# KiCad board latentpink.kicad_pcb (continued)
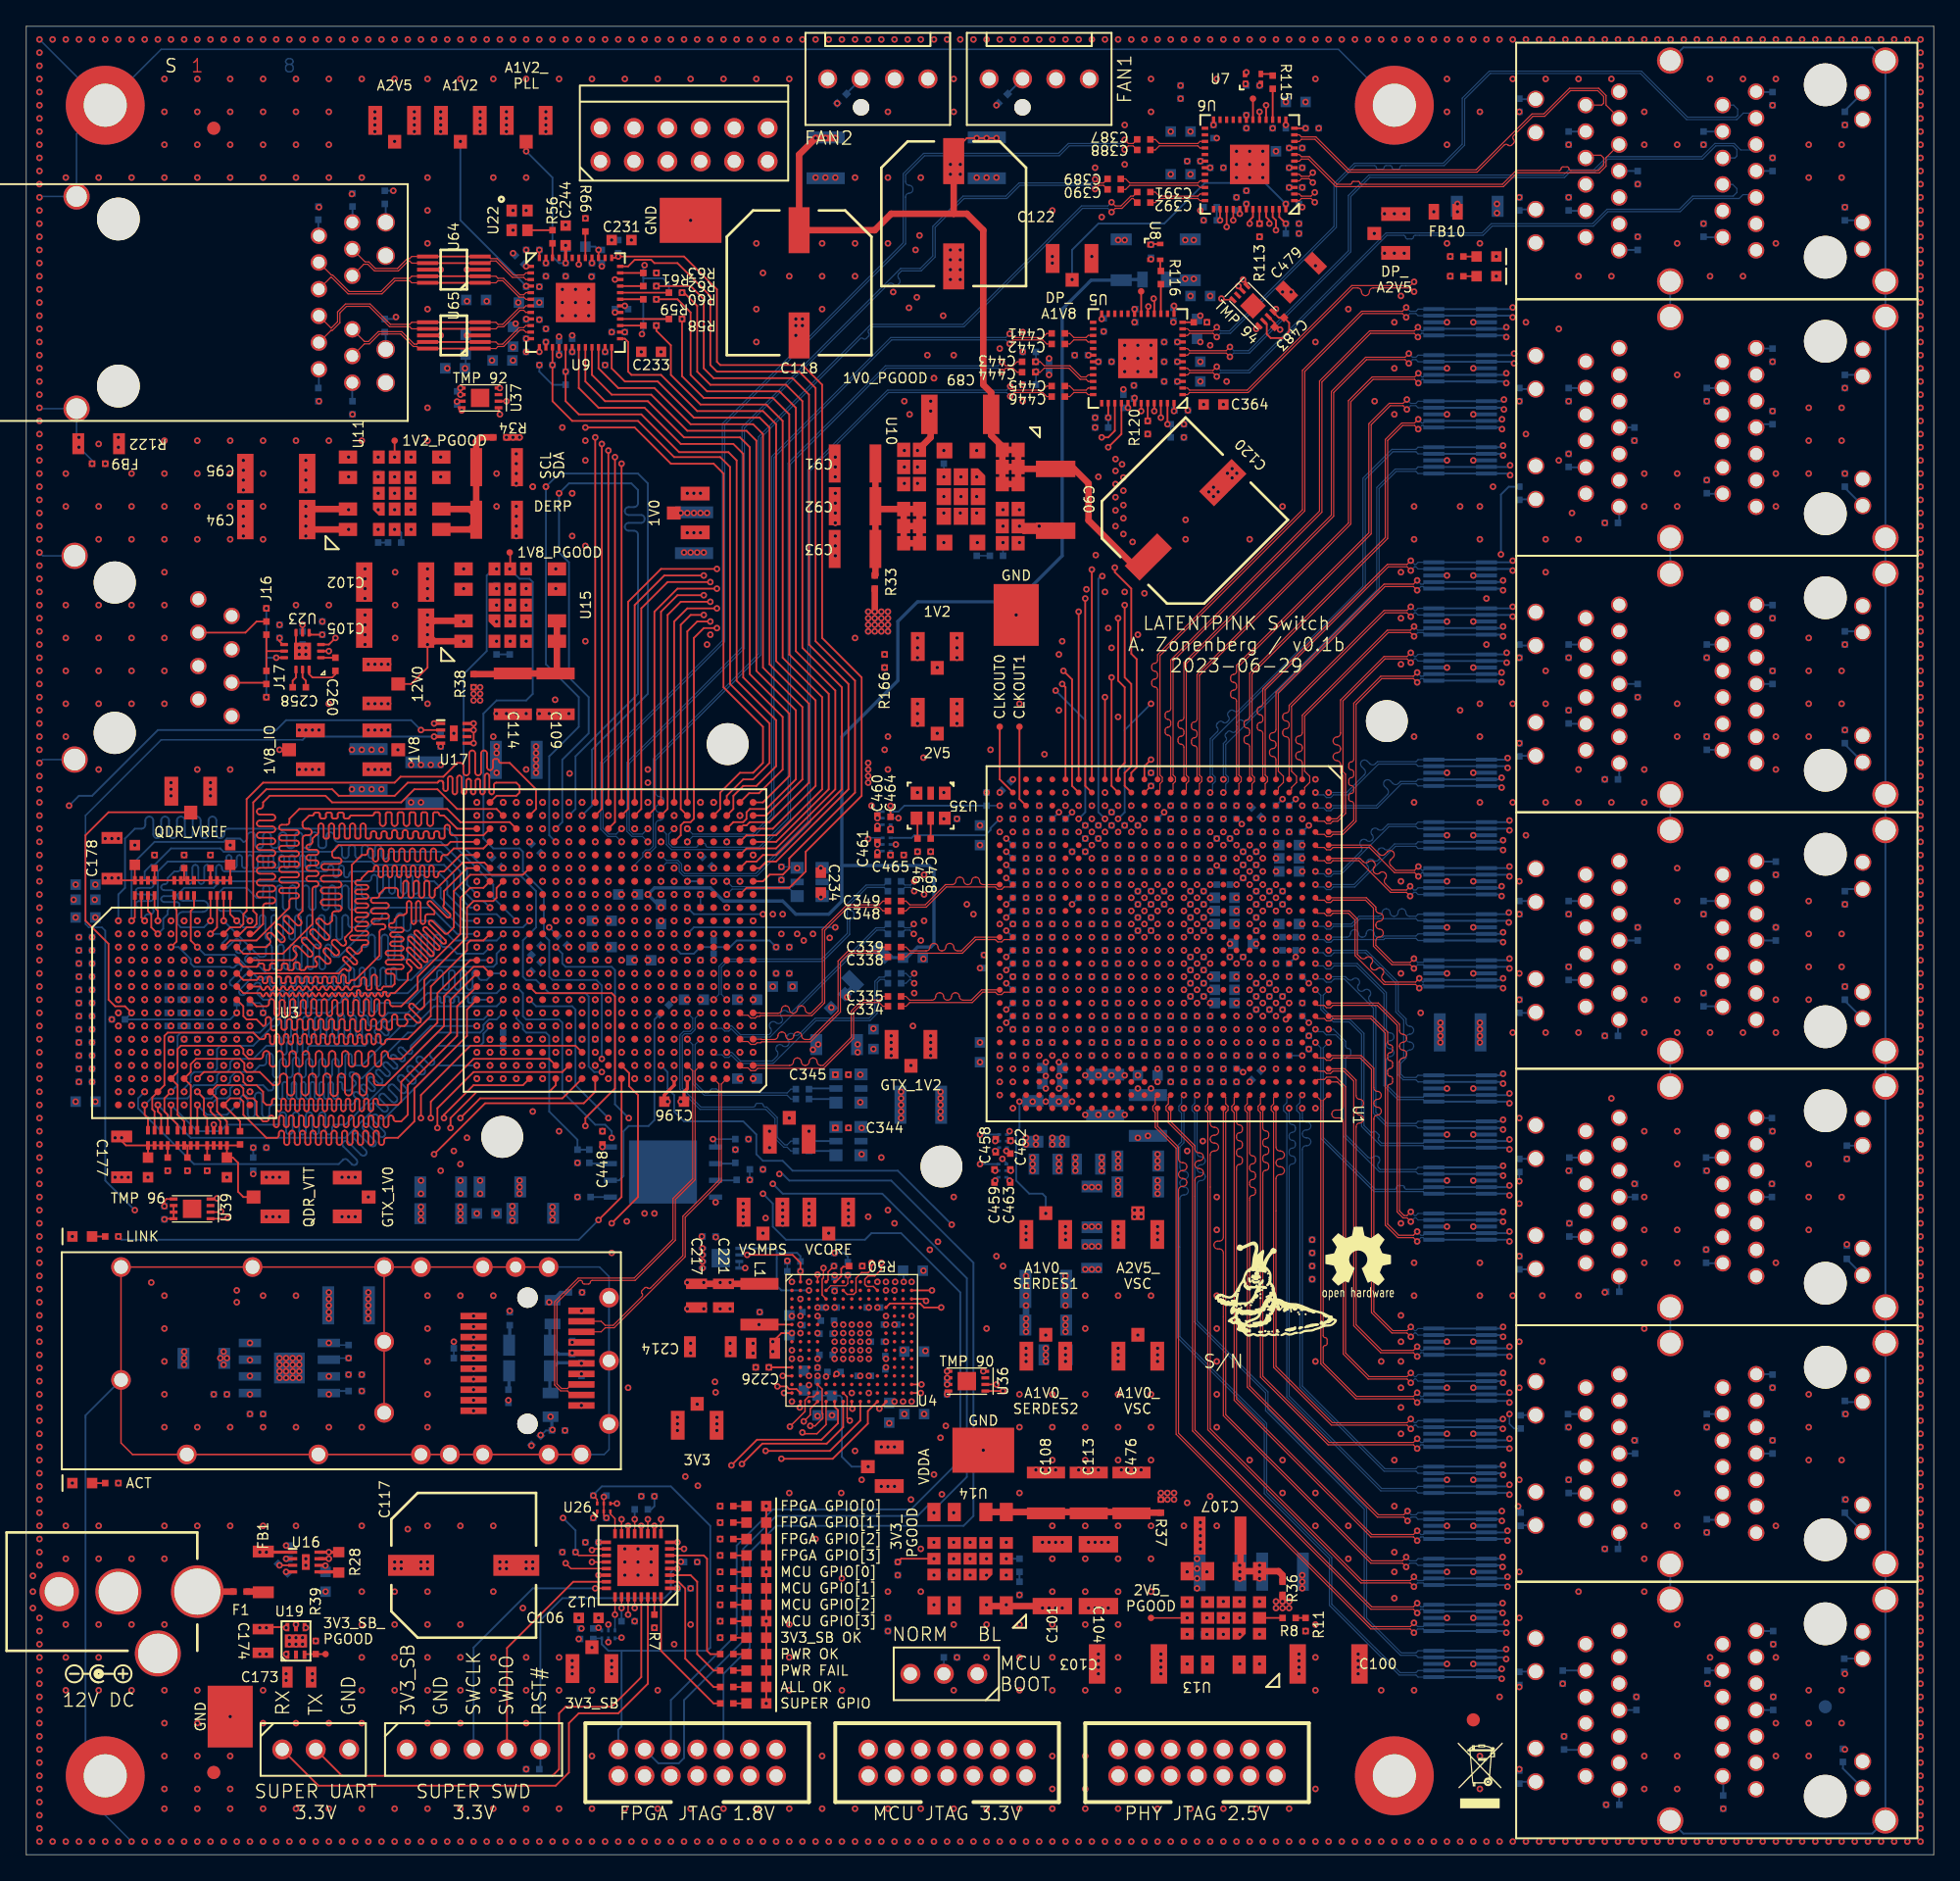
[diagram p0: board, top side]
## Routing (per net, layer and track width the routed paths; a pad name or vN(x,y) marks a point on that pad's centre or on a via; arc(x,y) is an arc through that point) (continued)
/FPGA/QDR SRAM/QDR_D22: length 49.6
  In5.Cu w0.115: v1(8,65) 8.25,65 8.75,64.5 18.25,64.5 20.5,66.75 20.75,66.75 arc(20.91,66.81) 20.97,66.97 arc(21.04,67.13) 21.19,67.19 21.3,67.19 arc(21.46,67.13) 21.52,66.97 21.52,66.75 21.52,66.75 21.52,66.53 arc(21.59,66.37) 21.75,66.31 21.85,66.31 arc(22.01,66.37) 22.08,66.53 22.08,66.97 arc(22.14,67.13) 22.3,67.19 22.4,67.19 arc(22.56,67.13) 22.62,66.97 22.62,66.53 arc(22.69,66.37) 22.85,66.31 22.95,66.31 arc(23.11,66.37) 23.17,66.53 23.17,66.97 arc(23.24,67.13) 23.4,67.19 23.5,67.19 arc(23.66,67.13) 23.73,66.97 23.73,66.53 arc(23.79,66.37) 23.95,66.31 24.05,66.31 arc(24.21,66.37) 24.27,66.53 24.27,66.97 arc(24.34,67.13) 24.5,67.19 24.6,67.19 arc(24.76,67.13) 24.83,66.97 24.83,66.53 arc(24.89,66.37) 25.05,66.31 25.15,66.31 arc(25.31,66.37) 25.38,66.53 25.38,66.97 arc(25.44,67.13) 25.6,67.19 25.7,67.19 arc(25.86,67.13) 25.92,66.97 25.92,66.53 arc(25.99,66.37) 26.15,66.31 26.25,66.31 arc(26.41,66.37) 26.48,66.53 26.48,66.97 arc(26.54,67.13) 26.7,67.19 26.8,67.19 arc(26.96,67.13) 27.03,66.97 27.03,66.53 arc(27.09,66.37) 27.25,66.31 27.35,66.31 arc(27.51,66.37) 27.58,66.53 27.58,66.97 arc(27.64,67.13) 27.8,67.19 27.9,67.19 arc(28.06,67.13) 28.12,66.97 28.12,66.53 arc(28.19,66.37) 28.35,66.31 28.45,66.31 arc(28.61,66.37) 28.67,66.53 28.67,66.97 arc(28.74,67.13) 28.9,67.19 29,67.19 arc(29.16,67.13) 29.22,66.97 arc(29.29,66.81) 29.45,66.75 32.5,66.75 34.25,68.5 37.5,68.5 37.75,68.75 37.75,72.25 38.5,73 39.5,73 40,73.5 40.75,73.5 v1(41.25,74)
/FPGA/QDR SRAM/QDR_D23: length 39.9
  In5.Cu w0.115: v1(9,63) 9.5,62.5 18.5,62.5 21,65 32.5,65 34,66.5 38.75,66.5 39.75,65.5 40.5,65.5 40.75,65.25 40.75,62.75 42,61.5 42.75,61.5 v1(43.25,61)
/FPGA/QDR SRAM/QDR_D24: length 40.9
  In5.Cu w0.115: v1(9,61) 9.5,60.5 13.25,60.5 13.5,60.25 13.5,58.75 13.75,58.5 17.5,58.5 17.75,58.75 18.25,58.75 arc(18.39,58.81) 18.44,58.94 arc(18.5,59.08) 18.64,59.14 18.7,59.14 arc(18.84,59.08) 18.89,58.94 18.89,58.75 18.9,58.75 18.9,58.56 arc(18.96,58.42) 19.09,58.36 19.16,58.36 arc(19.29,58.42) 19.35,58.56 19.35,58.94 arc(19.41,59.08) 19.54,59.14 19.61,59.14 arc(19.74,59.08) 19.8,58.94 19.8,58.56 arc(19.86,58.42) 19.99,58.36 20.06,58.36 arc(20.19,58.42) 20.25,58.56 20.25,58.94 arc(20.31,59.08) 20.44,59.14 20.51,59.14 arc(20.64,59.08) 20.7,58.94 20.7,58.56 arc(20.76,58.42) 20.89,58.36 20.96,58.36 arc(21.09,58.42) 21.15,58.56 21.15,58.94 arc(21.21,59.08) 21.34,59.14 21.41,59.14 arc(21.54,59.08) 21.6,58.94 21.6,58.56 arc(21.66,58.42) 21.79,58.36 21.86,58.36 arc(21.99,58.42) 22.05,58.56 22.05,58.94 arc(22.11,59.08) 22.24,59.14 22.31,59.14 arc(22.44,59.08) 22.5,58.94 22.5,58.56 arc(22.56,58.42) 22.69,58.36 22.76,58.36 arc(22.89,58.42) 22.95,58.56 22.95,58.94 arc(23.01,59.08) 23.14,59.14 23.21,59.14 arc(23.34,59.08) 23.4,58.94 23.4,58.56 arc(23.46,58.42) 23.59,58.36 23.66,58.36 arc(23.79,58.42) 23.85,58.56 23.85,58.94 arc(23.91,59.08) 24.04,59.14 24.11,59.14 arc(24.24,59.08) 24.3,58.94 24.3,58.56 arc(24.36,58.42) 24.49,58.36 24.56,58.36 arc(24.69,58.42) 24.75,58.56 24.75,58.94 arc(24.81,59.08) 24.94,59.14 25.01,59.14 arc(25.14,59.08) 25.2,58.94 arc(25.26,58.81) 25.39,58.75 26.25,58.75 28,60.5 32,60.5 33.85,62.35 36.9,62.35 v1(37.25,62)
/FPGA/QDR SRAM/QDR_D25: length 42.4
  In5.Cu w0.115: v1(39.25,62) 38.75,61.5 33.75,61.5 32.25,60 28.5,60 26.25,57.75 25.14,57.75 arc(25.04,57.71) 25,57.61 arc(24.96,57.51) 24.86,57.47 24.59,57.47 arc(24.49,57.51) 24.45,57.61 24.45,57.89 arc(24.41,57.99) 24.31,58.03 24.04,58.03 arc(23.94,57.99) 23.9,57.89 23.9,57.61 arc(23.86,57.51) 23.76,57.47 23.49,57.47 arc(23.39,57.51) 23.35,57.61 23.35,57.89 arc(23.31,57.99) 23.21,58.03 22.94,58.03 arc(22.84,57.99) 22.8,57.89 22.8,57.61 arc(22.76,57.51) 22.66,57.47 22.39,57.47 arc(22.29,57.51) 22.25,57.61 22.25,57.89 arc(22.21,57.99) 22.11,58.03 21.84,58.03 arc(21.74,57.99) 21.7,57.89 21.7,57.61 arc(21.66,57.51) 21.56,57.47 21.29,57.47 arc(21.19,57.51) 21.15,57.61 21.15,57.89 arc(21.11,57.99) 21.01,58.03 20.74,58.03 arc(20.64,57.99) 20.6,57.89 20.6,57.61 arc(20.56,57.51) 20.46,57.47 20.19,57.47 arc(20.09,57.51) 20.05,57.61 20.05,57.89 arc(20.01,57.99) 19.91,58.03 19.64,58.03 arc(19.54,57.99) 19.5,57.89 19.5,57.61 arc(19.46,57.51) 19.36,57.47 19.09,57.47 arc(18.99,57.51) 18.95,57.61 18.95,57.75 18.94,57.75 18.94,57.89 arc(18.9,57.99) 18.8,58.03 18.53,58.03 arc(18.43,57.99) 18.39,57.89 arc(18.35,57.79) 18.25,57.75 18,57.75 17.75,57.5 17.35,57.5 arc(17.21,57.44) 17.15,57.3 17.15,56.95 arc(17.09,56.81) 16.95,56.75 arc(16.81,56.81) 16.75,56.95 16.75,57.62 arc(16.71,57.71) 16.62,57.75 16.48,57.75 arc(16.39,57.71) 16.35,57.62 16.35,56.95 arc(16.29,56.81) 16.15,56.75 arc(16.01,56.81) 15.95,56.95 15.95,57.55 arc(15.94,57.59) 15.9,57.6 15.6,57.6 arc(15.56,57.59) 15.55,57.55 arc(15.54,57.51) 15.5,57.5 12.75,57.5 12.5,57.75 12.5,59.25 12.25,59.5 9.5,59.5 v1(9,60)
/FPGA/QDR SRAM/QDR_D26: length 37.4
  In5.Cu w0.115: v1(38.25,60) 38,60 37.5,59.5 34,59.5 33.5,59 29,59 25.75,55.75 18.75,55.75 arc(18.57,55.82) 18.5,56 arc(18.43,56.18) 18.25,56.25 18.2,56.25 arc(18.02,56.18) 17.95,56 17.95,55.62 arc(17.91,55.54) 17.83,55.5 17.52,55.5 arc(17.44,55.54) 17.4,55.62 17.4,56 arc(17.33,56.18) 17.15,56.25 17.1,56.25 arc(16.92,56.18) 16.85,56 16.85,55.5 arc(16.78,55.32) 16.6,55.25 16.55,55.25 arc(16.37,55.32) 16.3,55.5 16.3,56 arc(16.23,56.18) 16.05,56.25 16,56.25 arc(15.82,56.18) 15.75,56 arc(15.68,55.82) 15.5,55.75 15.25,55.75 15,56 11.25,56 10.5,56.75 10.5,57.25 10.25,57.5 8.75,57.5 8.5,57.75 8.5,58.5 v1(8,59)
/FPGA/QDR SRAM/QDR_D27: length 39.4
  In5.Cu w0.115: v1(39.25,80) 38.75,80.5 33.5,80.5 29.75,76.75 22.5,76.75 17.75,72 7,72 6.5,71.5 6.5,69.5 v1(7,69)
/FPGA/QDR SRAM/QDR_D28: length 42.3
  In5.Cu w0.115: v1(40.25,80) 39.25,81 33.25,81 29.5,77.25 22,77.25 17.25,72.5 7,72.5 6.25,71.75 6.25,68.75 v1(7,68)
/FPGA/QDR SRAM/QDR_D29: length 46.4
  In5.Cu w0.115: v1(8,67) 8.5,67.5 18,67.5 21,70.5 21.5,70.5 arc(21.64,70.56) 21.7,70.7 arc(21.76,70.84) 21.9,70.9 22.1,70.9 arc(22.24,70.84) 22.3,70.7 22.3,70.5 22.3,70.3 arc(22.36,70.16) 22.5,70.1 22.7,70.1 arc(22.84,70.16) 22.9,70.3 22.9,70.7 arc(22.96,70.84) 23.1,70.9 23.3,70.9 arc(23.44,70.84) 23.5,70.7 23.5,70.3 arc(23.56,70.16) 23.7,70.1 23.9,70.1 arc(24.04,70.16) 24.1,70.3 24.1,70.7 arc(24.16,70.84) 24.3,70.9 24.5,70.9 arc(24.64,70.84) 24.7,70.7 24.7,70.3 arc(24.76,70.16) 24.9,70.1 25.1,70.1 arc(25.24,70.16) 25.3,70.3 25.3,70.7 arc(25.36,70.84) 25.5,70.9 25.7,70.9 arc(25.84,70.84) 25.9,70.7 25.9,70.3 arc(25.96,70.16) 26.1,70.1 26.3,70.1 arc(26.44,70.16) 26.5,70.3 26.5,70.7 arc(26.56,70.84) 26.7,70.9 26.9,70.9 arc(27.04,70.84) 27.1,70.7 27.1,70.3 arc(27.16,70.16) 27.3,70.1 27.5,70.1 arc(27.64,70.16) 27.7,70.3 27.7,70.7 arc(27.76,70.84) 27.9,70.9 28.1,70.9 arc(28.24,70.84) 28.3,70.7 28.3,70.3 arc(28.36,70.16) 28.5,70.1 28.7,70.1 arc(28.84,70.16) 28.9,70.3 28.9,70.7 arc(28.96,70.84) 29.1,70.9 29.3,70.9 arc(29.44,70.84) 29.5,70.7 arc(29.56,70.56) 29.7,70.5 31.75,70.5 32.5,71.25 32.5,73.75 34.25,75.5 40.75,75.5 v1(41.25,76)
/FPGA/QDR SRAM/QDR_D30: length 48.4
  In5.Cu w0.115: v1(7,65) 7.5,64.5 8.25,64.5 8.5,64.25 8.5,63.75 8.75,63.5 18.5,63.5 20.5,65.5 20.75,65.5 arc(20.86,65.54) 20.9,65.65 arc(20.94,65.76) 21.05,65.8 21.3,65.8 arc(21.41,65.76) 21.45,65.65 21.45,65.38 arc(21.49,65.29) 21.58,65.25 21.88,65.25 arc(21.96,65.29) 22,65.38 22,65.65 arc(22.04,65.76) 22.15,65.8 22.4,65.8 arc(22.51,65.76) 22.55,65.65 22.55,65.38 arc(22.59,65.29) 22.67,65.25 22.98,65.25 arc(23.06,65.29) 23.1,65.38 23.1,65.65 arc(23.14,65.76) 23.25,65.8 23.5,65.8 arc(23.61,65.76) 23.65,65.65 23.65,65.38 arc(23.69,65.29) 23.77,65.25 24.08,65.25 arc(24.16,65.29) 24.2,65.38 24.2,65.65 arc(24.24,65.76) 24.35,65.8 24.6,65.8 arc(24.71,65.76) 24.75,65.65 24.75,65.38 arc(24.79,65.29) 24.88,65.25 25.17,65.25 arc(25.26,65.29) 25.3,65.38 25.3,65.65 arc(25.34,65.76) 25.45,65.8 25.7,65.8 arc(25.81,65.76) 25.85,65.65 25.85,65.38 arc(25.89,65.29) 25.98,65.25 26.27,65.25 arc(26.36,65.29) 26.4,65.38 26.4,65.65 arc(26.44,65.76) 26.55,65.8 26.8,65.8 arc(26.91,65.76) 26.95,65.65 26.95,65.38 arc(26.99,65.29) 27.08,65.25 27.38,65.25 arc(27.46,65.29) 27.5,65.38 27.5,65.65 arc(27.54,65.76) 27.65,65.8 27.9,65.8 arc(28.01,65.76) 28.05,65.65 28.05,65.38 arc(28.09,65.29) 28.17,65.25 28.47,65.25 arc(28.56,65.29) 28.6,65.38 28.6,65.65 arc(28.64,65.76) 28.75,65.8 29,65.8 arc(29.11,65.76) 29.15,65.65 29.15,65.38 arc(29.19,65.29) 29.28,65.25 29.58,65.25 arc(29.66,65.29) 29.7,65.38 29.7,65.65 arc(29.74,65.76) 29.85,65.8 30.1,65.8 arc(30.21,65.76) 30.25,65.65 30.25,65.38 arc(30.29,65.29) 30.38,65.25 30.67,65.25 arc(30.76,65.29) 30.8,65.38 30.8,65.65 arc(30.84,65.76) 30.95,65.8 31.2,65.8 arc(31.31,65.76) 31.35,65.65 arc(31.39,65.54) 31.5,65.5 32.25,65.5 34.25,67.5 38.5,67.5 38.75,67.75 38.75,71.5 v1(40.25,73)
/FPGA/QDR SRAM/QDR_D31: length 42.4
  Top w0.14: v1(30.75,56) 30.75,57.25 34,60.5 39.75,60.5 U2.B16
  In2.Cu w0.115: v1(30.75,56) 29.25,54.5 19.5,54.5 19,55 15.44,55 13.6,56.84 13.6,59.96 13.06,60.5 12.94,60.5 12.6,60.84 12.6,61.15 12.35,61.4 11.85,61.4 11.6,61.65 11.6,61.96 11.06,62.5 7.5,62.5 v1(7,63)
/FPGA/QDR SRAM/QDR_D32: length 42.3
  Top w0.14: v1(31.25,55.25) 31.25,56.75 34,59.5 40.75,59.5 U2.B15
  In2.Cu w0.115: v1(31.25,55.25) 31,55 30.5,55 29.5,54 19.25,54 18.75,54.5 13.75,54.5 11.5,56.75 11.5,60.25 11.35,60.4 10.85,60.4 10.6,60.65 10.6,61.15 10.25,61.5 8.5,61.5 v1(8,62)
/FPGA/QDR SRAM/QDR_D33: length 41.4
  In5.Cu w0.115: v1(7,60) 7.5,59.5 7.5,56.75 9.75,54.5 17.5,54.5 17.75,54.75 26.5,54.75 29.75,58 39.25,58 40.25,59 40.25,60 v1(41.25,61)
/FPGA/QDR SRAM/QDR_D34: length 41
  In5.Cu w0.115: v1(7,59) 6.5,58.5 6.5,56.75 9.75,53.5 14,53.5 14.25,53.25 18.5,53.25 18.75,53.5 26.75,53.5 30.25,57 39.25,57 v1(41.25,59)
/FPGA/QDR SRAM/QDR_D35: length 41.8
  In5.Cu w0.115: v1(8,58) 8,57.75 8.5,57.25 8.5,56.75 10.25,55 10.5,55 arc(10.69,55.08) 10.77,55.28 10.77,55.44 arc(10.86,55.64) 11.05,55.72 arc(11.24,55.64) 11.33,55.44 11.33,54.92 arc(11.35,54.86) 11.41,54.83 11.79,54.83 arc(11.85,54.86) 11.88,54.92 11.88,55.39 arc(11.96,55.59) 12.15,55.67 arc(12.34,55.59) 12.42,55.39 12.42,54.92 arc(12.45,54.86) 12.51,54.83 12.89,54.83 arc(12.95,54.86) 12.98,54.92 12.98,55.39 arc(13.06,55.59) 13.25,55.67 arc(13.44,55.59) 13.52,55.39 13.52,55.28 arc(13.61,55.08) 13.8,55 17.5,55 17.75,55.25 26,55.25 29.25,58.5 37.5,58.5 37.75,58.75 37.75,59.25 38,59.5 39.5,59.5 39.75,59.75 39.75,61.5 v1(40.25,62)
/FPGA/QDR SRAM/QDR_K_N: length 37.9
  In2.Cu w0.081: v1(34.25,80) 33.83,79.58 28.22,79.58 arc(27.96,79.48) 27.86,79.22 27.86,79.1 arc(27.8,78.96) 27.67,78.91 arc(27.53,78.96) 27.47,79.1 27.47,79.22 arc(27.37,79.48) 27.11,79.58 arc(26.86,79.48) 26.76,79.22 26.76,79.1 arc(26.7,78.96) 26.56,78.91 arc(26.43,78.96) 26.38,79.1 26.38,79.22 arc(26.27,79.48) 26.02,79.58 arc(25.76,79.48) 25.66,79.22 25.66,79.1 arc(25.6,78.96) 25.47,78.91 arc(25.33,78.96) 25.27,79.1 25.27,79.22 arc(25.17,79.48) 24.91,79.58 arc(24.66,79.48) 24.55,79.22 24.55,79.1 arc(24.5,78.96) 24.37,78.91 arc(24.23,78.96) 24.17,79.1 24.17,79.71 arc(24.11,79.85) 23.97,79.91 23.66,79.91 arc(23.52,79.85) 23.45,79.71 23.45,79.1 arc(23.4,78.96) 23.27,78.91 arc(23.13,78.96) 23.08,79.1 23.08,79.22 arc(22.97,79.48) 22.72,79.58 arc(22.46,79.48) 22.35,79.22 22.35,79.1 arc(22.3,78.96) 22.16,78.91 arc(22.03,78.96) 21.98,79.1 21.98,79.22 arc(21.87,79.48) 21.62,79.58 arc(21.36,79.48) 21.26,79.22 21.26,79.1 arc(21.2,78.96) 21.06,78.91 arc(20.93,78.96) 20.88,79.1 20.88,79.22 arc(20.77,79.48) 20.52,79.58 15.26,79.58 12.52,76.84 12.52,74.64 12,74.12 12,73.6 arc(11.93,73.42) 11.75,73.35 11.7,73.35 arc(11.52,73.28) 11.45,73.1 arc(11.52,72.92) 11.7,72.85 11.75,72.85 arc(11.93,72.78) 12,72.6 arc(11.93,72.42) 11.75,72.35 11.45,72.35 arc(11.27,72.28) 11.2,72.1 arc(11.27,71.92) 11.45,71.85 11.75,71.85 arc(11.93,71.78) 12,71.6 v1(12,71)
/FPGA/QDR SRAM/QDR_K_P: length 38
  In2.Cu w0.081: 12.17,70.17 12.17,70.63 12.38,70.84 12.38,71.16 12.2,71.33 12.2,74.08 12.69,74.56 12.69,76.76 15.34,79.42 20.52,79.42 arc(20.65,79.36) 20.7,79.22 20.7,79.1 arc(20.81,78.84) 21.06,78.74 arc(21.32,78.84) 21.42,79.1 21.42,79.22 arc(21.48,79.36) 21.62,79.42 arc(21.75,79.36) 21.8,79.22 21.8,79.1 arc(21.91,78.84) 22.16,78.74 arc(22.42,78.84) 22.52,79.1 22.52,79.22 arc(22.58,79.36) 22.72,79.42 arc(22.85,79.36) 22.91,79.22 22.91,79.1 arc(23.01,78.84) 23.27,78.74 arc(23.52,78.84) 23.62,79.1 23.62,79.71 arc(23.64,79.73) 23.66,79.74 23.97,79.74 arc(23.99,79.73) 24.01,79.71 24.01,79.1 arc(24.11,78.84) 24.37,78.74 arc(24.62,78.84) 24.73,79.1 24.73,79.22 arc(24.78,79.36) 24.91,79.42 arc(25.05,79.36) 25.1,79.22 25.1,79.1 arc(25.21,78.84) 25.47,78.74 arc(25.72,78.84) 25.83,79.1 25.83,79.22 arc(25.88,79.36) 26.02,79.42 arc(26.15,79.36) 26.2,79.22 26.2,79.1 arc(26.31,78.84) 26.56,78.74 arc(26.82,78.84) 26.92,79.1 26.92,79.22 arc(26.98,79.36) 27.11,79.42 arc(27.25,79.36) 27.31,79.22 27.31,79.1 arc(27.41,78.84) 27.67,78.74 arc(27.92,78.84) 28.03,79.1 28.03,79.22 arc(28.08,79.36) 28.22,79.42 34.83,79.42 v1(35.25,79)
  In2.Cu w0.115: v1(12,70) 12.17,70.17
/FPGA/QDR SRAM/QDR_ODT: length 7.3
  In3.Cu w0.115: v1(12,57) 15.25,53.75 v1(17.25,53.75)
  Bottom w0.14: v1(17.25,53.75) R167.1
/FPGA/QDR SRAM/QDR_Q0: length 42.9
  In2.Cu w0.115: v1(17,58) 20.5,58 21.5,59 21.75,59 arc(21.87,59.05) 21.92,59.17 arc(21.97,59.3) 22.1,59.35 22.1,59.35 arc(22.22,59.3) 22.27,59.17 22.27,59 22.27,59 22.27,58.58 arc(22.33,58.45) 22.45,58.4 arc(22.57,58.45) 22.62,58.58 22.62,59.17 arc(22.68,59.3) 22.8,59.35 22.8,59.35 arc(22.92,59.3) 22.98,59.17 22.98,58.58 arc(23.03,58.45) 23.15,58.4 arc(23.27,58.45) 23.33,58.58 23.33,59.17 arc(23.38,59.3) 23.5,59.35 23.5,59.35 arc(23.62,59.3) 23.67,59.17 23.67,58.58 arc(23.73,58.45) 23.85,58.4 arc(23.97,58.45) 24.02,58.58 24.02,59.17 arc(24.08,59.3) 24.2,59.35 24.2,59.35 arc(24.32,59.3) 24.38,59.17 24.38,58.58 arc(24.43,58.45) 24.55,58.4 arc(24.67,58.45) 24.73,58.58 24.73,59.17 arc(24.78,59.3) 24.9,59.35 24.9,59.35 arc(25.02,59.3) 25.08,59.17 25.08,58.58 arc(25.13,58.45) 25.25,58.4 arc(25.37,58.45) 25.42,58.58 25.42,59.17 arc(25.48,59.3) 25.6,59.35 25.6,59.35 arc(25.72,59.3) 25.77,59.17 25.77,58.58 arc(25.83,58.45) 25.95,58.4 arc(26.07,58.45) 26.12,58.58 26.12,59.17 arc(26.18,59.3) 26.3,59.35 26.3,59.35 arc(26.42,59.3) 26.48,59.17 26.48,58.58 arc(26.53,58.45) 26.65,58.4 arc(26.77,58.45) 26.83,58.58 26.83,59.17 arc(26.88,59.3) 27,59.35 27,59.35 arc(27.12,59.3) 27.17,59.17 27.17,58.58 arc(27.23,58.45) 27.35,58.4 arc(27.47,58.45) 27.53,58.58 27.53,59.17 arc(27.58,59.3) 27.7,59.35 27.7,59.35 arc(27.82,59.3) 27.88,59.17 27.88,58.58 arc(27.93,58.45) 28.05,58.4 arc(28.17,58.45) 28.22,58.58 28.22,59.17 arc(28.28,59.3) 28.4,59.35 28.4,59.35 arc(28.52,59.3) 28.58,59.17 28.58,58.58 arc(28.63,58.45) 28.75,58.4 arc(28.87,58.45) 28.92,58.58 28.92,59.17 arc(28.98,59.3) 29.1,59.35 29.1,59.35 arc(29.22,59.3) 29.28,59.17 29.28,58.58 arc(29.33,58.45) 29.45,58.4 arc(29.57,58.45) 29.62,58.58 29.62,59.17 arc(29.68,59.3) 29.8,59.35 29.8,59.35 arc(29.92,59.3) 29.97,59.17 29.97,58.58 arc(30.03,58.45) 30.15,58.4 arc(30.27,58.45) 30.33,58.58 30.33,59.17 arc(30.38,59.3) 30.5,59.35 30.5,59.35 arc(30.62,59.3) 30.67,59.17 30.67,58.58 arc(30.73,58.45) 30.85,58.4 arc(30.97,58.45) 31.03,58.58 31.03,59.17 arc(31.08,59.3) 31.2,59.35 31.2,59.35 arc(31.32,59.3) 31.38,59.17 31.38,58.58 arc(31.43,58.45) 31.55,58.4 arc(31.67,58.45) 31.72,58.58 31.72,59.17 arc(31.78,59.3) 31.9,59.35 31.9,59.35 arc(32.02,59.3) 32.08,59.17 32.08,58.58 arc(32.13,58.45) 32.25,58.4 arc(32.37,58.45) 32.42,58.58 32.42,58.83 arc(32.48,58.95) 32.6,59 33.25,59 33.75,58.5 35,58.5 35.25,58.75 v1(35.25,59)
/FPGA/QDR SRAM/QDR_Q1: length 44.4
  In2.Cu w0.115: v1(16,60) 16.5,60.5 20,60.5 21.75,62.25 21.75,62.75 22,63 22.25,63 arc(22.36,63.04) 22.4,63.15 arc(22.44,63.26) 22.55,63.3 22.6,63.3 arc(22.71,63.26) 22.75,63.15 22.75,63 22.75,62.53 arc(22.8,62.4) 22.92,62.35 arc(23.05,62.4) 23.1,62.53 23.1,63.15 arc(23.14,63.26) 23.25,63.3 23.3,63.3 arc(23.41,63.26) 23.45,63.15 23.45,62.53 arc(23.5,62.4) 23.62,62.35 arc(23.75,62.4) 23.8,62.53 23.8,63.15 arc(23.84,63.26) 23.95,63.3 24,63.3 arc(24.11,63.26) 24.15,63.15 24.15,62.53 arc(24.2,62.4) 24.33,62.35 arc(24.45,62.4) 24.5,62.53 24.5,63.15 arc(24.54,63.26) 24.65,63.3 24.7,63.3 arc(24.81,63.26) 24.85,63.15 24.85,62.53 arc(24.9,62.4) 25.02,62.35 arc(25.15,62.4) 25.2,62.53 25.2,63.15 arc(25.24,63.26) 25.35,63.3 25.4,63.3 arc(25.51,63.26) 25.55,63.15 25.55,62.53 arc(25.6,62.4) 25.73,62.35 arc(25.85,62.4) 25.9,62.53 25.9,63.15 arc(25.94,63.26) 26.05,63.3 26.1,63.3 arc(26.21,63.26) 26.25,63.15 26.25,62.53 arc(26.3,62.4) 26.42,62.35 arc(26.55,62.4) 26.6,62.53 26.6,63.15 arc(26.64,63.26) 26.75,63.3 26.8,63.3 arc(26.91,63.26) 26.95,63.15 26.95,62.53 arc(27,62.4) 27.12,62.35 arc(27.25,62.4) 27.3,62.53 27.3,63.15 arc(27.34,63.26) 27.45,63.3 27.5,63.3 arc(27.61,63.26) 27.65,63.15 27.65,62.53 arc(27.7,62.4) 27.83,62.35 arc(27.95,62.4) 28,62.53 28,63.15 arc(28.04,63.26) 28.15,63.3 28.2,63.3 arc(28.31,63.26) 28.35,63.15 28.35,62.53 arc(28.4,62.4) 28.53,62.35 arc(28.65,62.4) 28.7,62.53 28.7,63.15 arc(28.74,63.26) 28.85,63.3 28.9,63.3 arc(29.01,63.26) 29.05,63.15 29.05,62.53 arc(29.1,62.4) 29.22,62.35 arc(29.35,62.4) 29.4,62.53 29.4,63.15 arc(29.44,63.26) 29.55,63.3 29.6,63.3 arc(29.71,63.26) 29.75,63.15 29.75,62.53 arc(29.8,62.4) 29.92,62.35 arc(30.05,62.4) 30.1,62.53 30.1,63.15 arc(30.14,63.26) 30.25,63.3 30.3,63.3 arc(30.41,63.26) 30.45,63.15 30.45,62.53 arc(30.5,62.4) 30.62,62.35 arc(30.75,62.4) 30.8,62.53 30.8,63.15 arc(30.84,63.26) 30.95,63.3 31,63.3 arc(31.11,63.26) 31.15,63.15 31.15,62.53 arc(31.2,62.4) 31.33,62.35 arc(31.45,62.4) 31.5,62.53 31.5,63.15 arc(31.54,63.26) 31.65,63.3 31.7,63.3 arc(31.81,63.26) 31.85,63.15 31.85,62.53 arc(31.9,62.4) 32.03,62.35 arc(32.15,62.4) 32.2,62.53 32.2,62.83 arc(32.25,62.95) 32.38,63 32.75,63 33,62.75 33,62.25 33.75,61.5 34.75,61.5 U2.D21
  vias: v1(35.25,61.95)
/FPGA/QDR SRAM/QDR_Q2: length 44.3
  In2.Cu w0.115: v1(17,61) 19.75,61 21.25,62.5 21.25,63.5 21.75,64 arc(21.87,64.05) 21.92,64.17 21.92,64.33 arc(21.98,64.45) 22.1,64.5 arc(22.22,64.45) 22.27,64.33 22.27,63.67 arc(22.33,63.55) 22.45,63.5 arc(22.57,63.55) 22.62,63.67 22.62,64.33 arc(22.68,64.45) 22.8,64.5 arc(22.92,64.45) 22.98,64.33 22.98,63.67 arc(23.03,63.55) 23.15,63.5 arc(23.27,63.55) 23.33,63.67 23.33,64.33 arc(23.38,64.45) 23.5,64.5 arc(23.62,64.45) 23.67,64.33 23.67,63.67 arc(23.73,63.55) 23.85,63.5 arc(23.97,63.55) 24.02,63.67 24.02,64.33 arc(24.08,64.45) 24.2,64.5 arc(24.32,64.45) 24.38,64.33 24.38,63.67 arc(24.43,63.55) 24.55,63.5 arc(24.67,63.55) 24.73,63.67 24.73,64.33 arc(24.78,64.45) 24.9,64.5 arc(25.02,64.45) 25.08,64.33 25.08,63.67 arc(25.13,63.55) 25.25,63.5 arc(25.37,63.55) 25.42,63.67 25.42,64.33 arc(25.48,64.45) 25.6,64.5 arc(25.72,64.45) 25.77,64.33 25.77,63.67 arc(25.83,63.55) 25.95,63.5 arc(26.07,63.55) 26.12,63.67 26.12,64.33 arc(26.18,64.45) 26.3,64.5 arc(26.42,64.45) 26.48,64.33 26.48,63.67 arc(26.53,63.55) 26.65,63.5 arc(26.77,63.55) 26.83,63.67 26.83,64.33 arc(26.88,64.45) 27,64.5 arc(27.12,64.45) 27.17,64.33 27.17,63.67 arc(27.23,63.55) 27.35,63.5 arc(27.47,63.55) 27.53,63.67 27.53,64.33 arc(27.58,64.45) 27.7,64.5 arc(27.82,64.45) 27.88,64.33 27.88,63.67 arc(27.93,63.55) 28.05,63.5 arc(28.17,63.55) 28.22,63.67 28.22,64.33 arc(28.28,64.45) 28.4,64.5 arc(28.52,64.45) 28.58,64.33 28.58,63.67 arc(28.63,63.55) 28.75,63.5 arc(28.87,63.55) 28.92,63.67 28.92,64.33 arc(28.98,64.45) 29.1,64.5 arc(29.22,64.45) 29.28,64.33 29.28,63.67 arc(29.33,63.55) 29.45,63.5 arc(29.57,63.55) 29.62,63.67 29.62,64.33 arc(29.68,64.45) 29.8,64.5 arc(29.92,64.45) 29.97,64.33 29.97,63.67 arc(30.03,63.55) 30.15,63.5 arc(30.27,63.55) 30.33,63.67 30.33,64.33 arc(30.38,64.45) 30.5,64.5 arc(30.62,64.45) 30.67,64.33 30.67,63.67 arc(30.73,63.55) 30.85,63.5 arc(30.97,63.55) 31.03,63.67 31.03,64.33 arc(31.08,64.45) 31.2,64.5 arc(31.32,64.45) 31.38,64.33 31.38,63.67 arc(31.43,63.55) 31.55,63.5 arc(31.67,63.55) 31.72,63.67 31.72,63.83 arc(31.78,63.95) 31.9,64 33,64 33.5,63.5 33.5,62.25 33.75,62 U2.D22
  vias: v1(34.25,61.95)
/FPGA/QDR SRAM/QDR_Q3: length 48.6
  In2.Cu w0.115: v1(38.25,64) 37.75,64.5 35,64.5 34.25,65.25 34.25,66 33.75,66.5 33.55,66.5 arc(33.43,66.45) 33.38,66.33 33.38,66.22 arc(33.32,66.1) 33.2,66.05 arc(33.08,66.1) 33.03,66.22 33.03,66.72 arc(32.97,66.85) 32.85,66.9 arc(32.73,66.85) 32.67,66.72 32.67,66.22 arc(32.62,66.1) 32.5,66.05 arc(32.38,66.1) 32.33,66.22 32.33,66.67 arc(32.27,66.8) 32.15,66.85 arc(32.03,66.8) 31.97,66.67 31.97,66.22 arc(31.92,66.1) 31.8,66.05 arc(31.68,66.1) 31.62,66.22 31.62,66.67 arc(31.57,66.8) 31.45,66.85 arc(31.33,66.8) 31.28,66.67 31.28,66.22 arc(31.22,66.1) 31.1,66.05 arc(30.98,66.1) 30.92,66.22 30.92,66.67 arc(30.87,66.8) 30.75,66.85 arc(30.63,66.8) 30.58,66.67 30.58,66.22 arc(30.52,66.1) 30.4,66.05 arc(30.28,66.1) 30.22,66.22 30.22,66.67 arc(30.17,66.8) 30.05,66.85 arc(29.93,66.8) 29.88,66.67 29.88,66.22 arc(29.82,66.1) 29.7,66.05 arc(29.58,66.1) 29.53,66.22 29.53,66.72 arc(29.47,66.85) 29.35,66.9 arc(29.23,66.85) 29.17,66.72 29.17,66.22 arc(29.12,66.1) 29,66.05 arc(28.88,66.1) 28.83,66.22 28.83,66.78 arc(28.77,66.9) 28.65,66.95 arc(28.53,66.9) 28.47,66.78 28.47,66.22 arc(28.42,66.1) 28.3,66.05 arc(28.18,66.1) 28.12,66.22 28.12,66.78 arc(28.07,66.9) 27.95,66.95 arc(27.83,66.9) 27.78,66.78 27.78,66.22 arc(27.72,66.1) 27.6,66.05 arc(27.48,66.1) 27.42,66.22 27.42,66.78 arc(27.37,66.9) 27.25,66.95 arc(27.13,66.9) 27.08,66.78 27.08,66.22 arc(27.02,66.1) 26.9,66.05 arc(26.78,66.1) 26.73,66.22 26.73,66.78 arc(26.67,66.9) 26.55,66.95 arc(26.43,66.9) 26.38,66.78 26.38,66.22 arc(26.32,66.1) 26.2,66.05 arc(26.08,66.1) 26.02,66.22 26.02,66.78 arc(25.97,66.9) 25.85,66.95 arc(25.73,66.9) 25.67,66.78 25.67,66.22 arc(25.62,66.1) 25.5,66.05 arc(25.38,66.1) 25.33,66.22 25.33,66.78 arc(25.27,66.9) 25.15,66.95 arc(25.03,66.9) 24.98,66.78 24.98,66.22 arc(24.92,66.1) 24.8,66.05 arc(24.68,66.1) 24.62,66.22 24.62,66.78 arc(24.57,66.9) 24.45,66.95 arc(24.33,66.9) 24.27,66.78 24.27,66.22 arc(24.22,66.1) 24.1,66.05 arc(23.98,66.1) 23.92,66.22 23.92,66.78 arc(23.87,66.9) 23.75,66.95 arc(23.63,66.9) 23.58,66.78 23.58,66.22 arc(23.52,66.1) 23.4,66.05 arc(23.28,66.1) 23.23,66.22 23.23,66.78 arc(23.17,66.9) 23.05,66.95 arc(22.93,66.9) 22.88,66.78 22.88,66.22 arc(22.82,66.1) 22.7,66.05 arc(22.58,66.1) 22.52,66.22 22.52,66.78 arc(22.47,66.9) 22.35,66.95 arc(22.23,66.9) 22.17,66.78 22.17,66.67 arc(22.12,66.55) 22,66.5 21.75,66.5 21.5,66.25 21.5,65.5 20.25,64.25 20.25,63 19.25,62 v1(17,62)
/FPGA/QDR SRAM/QDR_Q4: length 53.6
  In2.Cu w0.115: v1(39.25,67) 38.75,67.5 38.75,68.25 38.5,68.5 33.75,68.5 32.75,69.5 arc(32.64,69.54) 32.6,69.65 32.6,69.85 arc(32.56,69.96) 32.45,70 arc(32.34,69.96) 32.3,69.85 32.3,68.85 arc(32.26,68.74) 32.15,68.7 arc(32.04,68.74) 32,68.85 32,69.85 arc(31.96,69.96) 31.85,70 arc(31.74,69.96) 31.7,69.85 31.7,68.85 arc(31.66,68.74) 31.55,68.7 arc(31.44,68.74) 31.4,68.85 31.4,69.85 arc(31.36,69.96) 31.25,70 arc(31.14,69.96) 31.1,69.85 31.1,68.85 arc(31.06,68.74) 30.95,68.7 arc(30.84,68.74) 30.8,68.85 30.8,69.85 arc(30.76,69.96) 30.65,70 arc(30.54,69.96) 30.5,69.85 30.5,68.85 arc(30.46,68.74) 30.35,68.7 arc(30.24,68.74) 30.2,68.85 30.2,69.85 arc(30.16,69.96) 30.05,70 arc(29.94,69.96) 29.9,69.85 29.9,68.85 arc(29.86,68.74) 29.75,68.7 arc(29.64,68.74) 29.6,68.85 29.6,69.85 arc(29.56,69.96) 29.45,70 arc(29.34,69.96) 29.3,69.85 29.3,68.85 arc(29.26,68.74) 29.15,68.7 arc(29.04,68.74) 29,68.85 29,69.85 arc(28.96,69.96) 28.85,70 arc(28.74,69.96) 28.7,69.85 28.7,68.85 arc(28.66,68.74) 28.55,68.7 arc(28.44,68.74) 28.4,68.85 28.4,69.85 arc(28.36,69.96) 28.25,70 arc(28.14,69.96) 28.1,69.85 28.1,68.85 arc(28.06,68.74) 27.95,68.7 arc(27.84,68.74) 27.8,68.85 27.8,69.85 arc(27.76,69.96) 27.65,70 arc(27.54,69.96) 27.5,69.85 27.5,69.65 arc(27.46,69.54) 27.35,69.5 27,69.5 26.96,69.46 arc(26.92,69.37) 26.96,69.28 arc(26.99,69.2) 26.96,69.11 26.92,69.07 arc(26.83,69.03) 26.75,69.07 arc(26.66,69.11) 26.57,69.07 26.5,69 26.15,69 arc(26.06,69.04) 26.02,69.12 arc(25.99,69.21) 25.9,69.25 25.85,69.25 arc(25.76,69.21) 25.73,69.12 25.73,68.88 arc(25.69,68.79) 25.6,68.75 25.55,68.75 arc(25.46,68.79) 25.42,68.88 25.42,69.12 arc(25.39,69.21) 25.3,69.25 25.25,69.25 arc(25.16,69.21) 25.12,69.12 25.12,68.88 arc(25.09,68.79) 25,68.75 24.95,68.75 arc(24.86,68.79) 24.83,68.88 24.83,69.12 arc(24.79,69.21) 24.7,69.25 24.65,69.25 arc(24.56,69.21) 24.52,69.12 24.52,68.88 arc(24.49,68.79) 24.4,68.75 24.35,68.75 arc(24.26,68.79) 24.23,68.88 24.23,69.12 arc(24.19,69.21) 24.1,69.25 24.05,69.25 arc(23.96,69.21) 23.92,69.12 23.92,68.88 arc(23.89,68.79) 23.8,68.75 23.75,68.75 arc(23.66,68.79) 23.62,68.88 23.62,69.12 arc(23.59,69.21) 23.5,69.25 23.45,69.25 arc(23.36,69.21) 23.33,69.12 23.33,68.88 arc(23.29,68.79) 23.2,68.75 23.15,68.75 arc(23.06,68.79) 23.02,68.88 23.02,69.12 arc(22.99,69.21) 22.9,69.25 22.85,69.25 arc(22.76,69.21) 22.73,69.12 22.73,68.88 arc(22.69,68.79) 22.6,68.75 22.55,68.75 arc(22.46,68.79) 22.42,68.88 22.42,69 22.42,69.12 arc(22.39,69.21) 22.3,69.25 22.25,69.25 arc(22.16,69.21) 22.12,69.12 arc(22.09,69.04) 22,69 21.75,69 21,68.25 20.5,68.25 20,67.75 20,66 18.75,64.75 18.75,64 18.25,63.5 16.5,63.5 v1(16,63)
/FPGA/QDR SRAM/QDR_Q5: length 52.4
  Top w0.14: U2.U22 33.5,75 31.75,73.25 31.75,72.25 31.74,72.24 arc(31.69,72.12) 31.74,71.99 32.2,71.54 arc(32.25,71.41) 32.2,71.29 arc(32.08,71.24) 31.95,71.29 30.79,72.45 arc(30.66,72.51) 30.54,72.45 arc(30.49,72.33) 30.54,72.21 31,71.75 arc(31.05,71.62) 31,71.5 30.5,71.5 arc(30.38,71.45) 30.33,71.33 30.33,70.92 arc(30.27,70.8) 30.15,70.75 arc(30.03,70.8) 29.97,70.92 29.97,72.33 arc(29.92,72.45) 29.8,72.5 arc(29.68,72.45) 29.62,72.33 29.62,70.92 arc(29.57,70.8) 29.45,70.75 arc(29.33,70.8) 29.28,70.92 29.28,72.33 arc(29.22,72.45) 29.1,72.5 arc(28.98,72.45) 28.92,72.33 28.92,71.67 arc(28.87,71.55) 28.75,71.5 28.67,71.42 28.33,71.42 28,71.1 28,71 arc(27.95,70.88) 27.83,70.83 27.74,70.83 arc(27.62,70.77) 27.57,70.65 arc(27.62,70.53) 27.74,70.47 28.51,70.47 arc(28.63,70.42) 28.68,70.3 arc(28.63,70.18) 28.51,70.12 27.83,70.12 arc(27.72,70.08) 27.67,69.96 27.67,69.94 arc(27.72,69.82) 27.83,69.78 28.51,69.78 arc(28.63,69.72) 28.68,69.6 arc(28.63,69.48) 28.51,69.42 27.83,69.42 arc(27.72,69.38) 27.67,69.26 27.67,69.24 arc(27.72,69.12) 27.83,69.08 28.51,69.08 arc(28.63,69.02) 28.68,68.9 arc(28.63,68.78) 28.51,68.72 27.49,68.72 arc(27.37,68.67) 27.32,68.55 arc(27.37,68.43) 27.49,68.38 28.51,68.38 arc(28.63,68.32) 28.68,68.2 arc(28.63,68.08) 28.51,68.03 27.49,68.03 arc(27.37,67.97) 27.32,67.85 arc(27.37,67.73) 27.49,67.67 28.51,67.67 arc(28.63,67.62) 28.68,67.5 arc(28.63,67.38) 28.51,67.33 27.49,67.33 arc(27.37,67.27) 27.32,67.15 arc(27.37,67.03) 27.49,66.97 27.83,66.97 arc(27.95,66.92) 28,66.8 28,66.2 27.8,66 27.17,66 arc(27.09,65.96) 27.05,65.88 arc(27.01,65.79) 26.92,65.75 26.77,65.75 arc(26.69,65.79) 26.65,65.88 26.65,66.7 arc(26.59,66.84) 26.45,66.9 arc(26.31,66.84) 26.25,66.7 26.25,65.88 arc(26.21,65.79) 26.12,65.75 25.98,65.75 arc(25.89,65.79) 25.85,65.88 25.85,66.5 arc(25.79,66.64) 25.65,66.7 arc(25.51,66.64) 25.45,66.5 25.45,66.2 arc(25.39,66.06) 25.25,66 24.9,66 arc(24.81,65.96) 24.77,65.88 arc(24.74,65.79) 24.65,65.75 24.6,65.75 arc(24.51,65.79) 24.48,65.88 arc(24.44,65.96) 24.35,66 24.3,66 arc(24.21,65.96) 24.17,65.88 arc(24.14,65.79) 24.05,65.75 24,65.75 arc(23.91,65.79) 23.88,65.88 arc(23.84,65.96) 23.75,66 23.7,66 arc(23.61,65.96) 23.58,65.88 arc(23.54,65.79) 23.45,65.75 23.4,65.75 arc(23.31,65.79) 23.27,65.88 arc(23.24,65.96) 23.15,66 23.1,66 arc(23.01,65.96) 22.98,65.88 arc(22.94,65.79) 22.85,65.75 22.8,65.75 arc(22.71,65.79) 22.67,65.88 arc(22.64,65.96) 22.55,66 22.5,66 arc(22.41,65.96) 22.38,65.88 arc(22.34,65.79) 22.25,65.75 22.2,65.75 arc(22.11,65.79) 22.08,65.88 arc(22.04,65.96) 21.95,66 21.9,66 arc(21.81,65.96) 21.77,65.88 arc(21.74,65.79) 21.65,65.75 21.6,65.75 arc(21.51,65.79) 21.48,65.88 arc(21.44,65.96) 21.35,66 21.3,66 arc(21.21,65.96) 21.17,65.88 arc(21.14,65.79) 21.05,65.75 21,65.75 arc(20.91,65.79) 20.88,65.88 arc(20.84,65.96) 20.75,66 20.7,66 arc(20.61,65.96) 20.58,65.88 arc(20.54,65.79) 20.45,65.75 20.4,65.75 arc(20.31,65.79) 20.27,65.88 arc(20.24,65.96) 20.15,66 20.1,66 arc(20.01,65.96) 19.98,65.88 arc(19.94,65.79) 19.85,65.75 19.8,65.75 arc(19.71,65.79) 19.67,65.88 arc(19.64,65.96) 19.55,66 19.5,66 arc(19.41,65.96) 19.38,65.88 arc(19.34,65.79) 19.25,65.75 19.2,65.75 arc(19.11,65.79) 19.08,65.88 arc(19.04,65.96) 18.95,66 18.9,66 arc(18.81,65.96) 18.77,65.88 arc(18.74,65.79) 18.65,65.75 18.6,65.75 arc(18.51,65.79) 18.48,65.88 arc(18.44,65.96) 18.35,66 18.3,66 arc(18.21,65.96) 18.17,65.88 arc(18.14,65.79) 18.05,65.75 18,65.75 arc(17.91,65.79) 17.88,65.88 arc(17.84,65.96) 17.75,66 U3.F11